# KiCad board EOutside.kicad_pcb (continued)
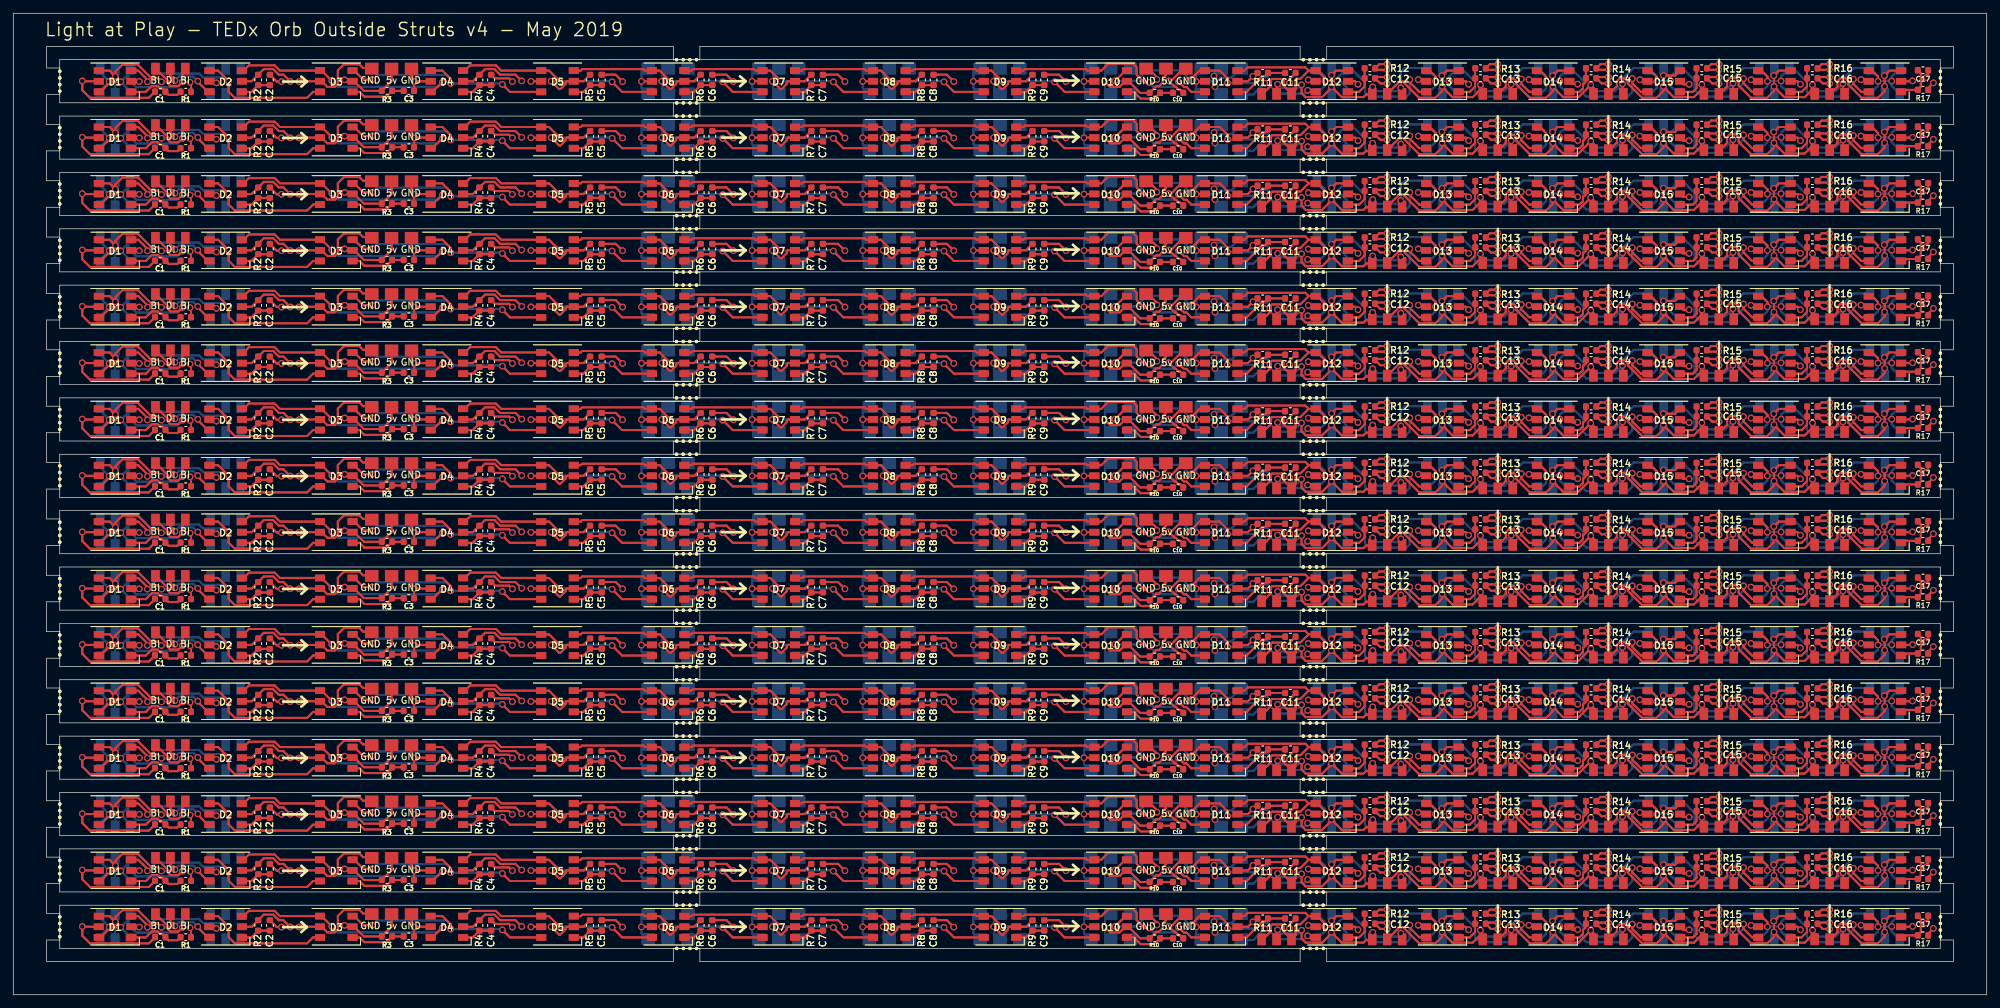
[diagram p0: board, top side]
## Routing (per net, layer and track width the routed paths; a pad name or vN(x,y) marks a point on that pad's centre or on a via; arc(x,y) is an arc through that point) (continued)
  Bottom w0.3: 265.28,135.9 J14#33.1 265.28,135.9 ; 265.28,135.9 v1(265.28,136.97) 265.28,135.9 ; 265.39,139.74 265.39,139.34 265.39,139.74 ; 265.39,139.74 265.33,139.8 265.39,139.74 ; 265.25,139.56 v1(265.25,138.59) 265.25,139.56 ; 265.25,139.56 J14#34.1 265.25,139.56 ; 280.95,137.05 J15#33.2 280.95,137.05 ; 280.95,137.05 v1(280.95,137.75) ; 280.95,137.05 v1(280.95,137.75) ; v1(280.95,137.75) 280.99,137.79 ; v1(280.95,137.75) 280.99,137.79 ; v1(280.95,137.75) 280.95,138.45 ; v1(280.95,137.75) 280.95,138.45 ; 283.02,138.47 284.2,139.65 283.02,138.47 ; 283.02,138.47 v1(283.02,137.79) ; 283.02,138.47 v1(283.02,137.79) ; v1(283.02,137.79) 283.02,137.03 ; v1(283.02,137.79) 280.99,137.79 ; v1(283.02,137.79) 283.02,137.03 ; v1(283.02,137.79) 280.99,137.79 ; 283.02,137.03 284.2,135.85 283.02,137.03 ; 280.95,128.55 J15#36.2 280.95,128.55 ; 280.95,128.55 v1(280.95,129.25) ; 280.95,128.55 v1(280.95,129.25) ; v1(280.95,129.25) 280.99,129.29 ; v1(280.95,129.25) 280.95,129.95 ; v1(280.95,129.25) 280.95,129.95 ; v1(280.95,129.25) 280.99,129.29 ; 283.02,129.97 284.2,131.15 283.02,129.97 ; 283.02,129.97 v1(283.02,129.29) ; 283.02,129.97 v1(283.02,129.29) ; v1(283.02,129.29) 283.02,128.53 ; v1(283.02,129.29) 280.99,129.29 ; v1(283.02,129.29) 283.02,128.53 ; v1(283.02,129.29) 280.99,129.29 ; 283.02,128.53 284.2,127.35 283.02,128.53 ; 265.28,127.4 J14#36.1 265.28,127.4 ; 265.28,127.4 v1(265.28,128.47) 265.28,127.4 ; 265.39,131.24 265.39,130.84 265.39,131.24 ; 265.39,131.24 265.33,131.3 265.39,131.24 ; 265.25,131.06 v1(265.25,130.09) 265.25,131.06 ; 265.25,131.06 J14#35.1 265.25,131.06 ; 280.95,129.95 J15#35.2 280.95,129.95 ; 272.04,127.76 v1(271.08,128.73) 272.04,127.76 ; 272.04,127.76 274.54,127.76 ; 272.04,127.76 274.54,127.76 ; 275.68,129.61 v1(275.68,128.9) ; 275.68,129.61 277.32,131.25 ; 275.68,129.61 v1(275.68,128.9) ; 275.68,129.61 277.32,131.25 ; v1(275.68,128.9) 275.18,128.4 ; v1(275.68,128.9) 275.18,128.4 ; 277.32,131.25 279.75,131.25 277.32,131.25 ; 274.54,127.76 275.18,128.4 ; 274.54,127.76 275.18,128.4 ; 280.95,120.05 J15#40.2 280.95,120.05 ; 280.95,120.05 v1(280.95,120.75) ; 280.95,120.05 v1(280.95,120.75) ; v1(280.95,120.75) 280.99,120.79 ; v1(280.95,120.75) 280.95,121.45 ; v1(280.95,120.75) 280.99,120.79 ; v1(280.95,120.75) 280.95,121.45 ; 283.02,121.47 284.2,122.65 283.02,121.47 ; 283.02,121.47 v1(283.02,120.79) ; 283.02,121.47 v1(283.02,120.79) ; v1(283.02,120.79) 283.02,120.03 ; v1(283.02,120.79) 280.99,120.79 ; v1(283.02,120.79) 283.02,120.03 ; v1(283.02,120.79) 280.99,120.79 ; 283.02,120.03 284.2,118.85 283.02,120.03 ; 265.28,118.9 J14#38.1 265.28,118.9 ; 265.28,118.9 v1(265.28,119.97) 265.28,118.9 ; 265.39,122.74 265.39,122.34 265.39,122.74 ; 265.39,122.74 265.33,122.8 265.39,122.74 ; 265.25,122.56 v1(265.25,121.59) 265.25,122.56 ; 265.25,122.56 J14#37.1 265.25,122.56 ; 280.95,121.45 J15#37.2 280.95,121.45 ; 272.04,119.26 v1(271.08,120.23) 272.04,119.26 ; 272.04,119.26 274.54,119.26 ; 272.04,119.26 274.54,119.26 ; 275.68,121.11 v1(275.68,120.4) ; 275.68,121.11 277.32,122.75 ; 275.68,121.11 v1(275.68,120.4) ; 275.68,121.11 277.32,122.75 ; v1(275.68,120.4) 275.18,119.9 ; v1(275.68,120.4) 275.18,119.9 ; 277.32,122.75 279.75,122.75 277.32,122.75 ; 274.54,119.26 275.18,119.9 ; 274.54,119.26 275.18,119.9 ; v1(280.95,112.25) 280.95,111.55 ; v1(280.95,112.25) 280.95,112.95 ; v1(280.95,112.25) 280.99,112.29 ; v1(280.95,112.25) 280.95,111.55 ; v1(280.95,112.25) 280.95,112.95 ; v1(280.95,112.25) 280.99,112.29 ; 280.95,111.55 J15#39.2 280.95,111.55 ; 277.32,114.25 279.75,114.25 277.32,114.25 ; 277.32,114.25 275.68,112.61 ; 277.32,114.25 275.68,112.61 ; 275.68,112.61 v1(275.68,111.9) ; 275.68,112.61 v1(275.68,111.9) ; v1(275.68,111.9) 275.18,111.4 ; v1(275.68,111.9) 275.18,111.4 ; 265.39,114.24 265.33,114.3 265.39,114.24 ; 265.39,114.24 265.39,113.84 265.39,114.24 ; v1(283.02,112.29) 283.02,112.97 ; v1(283.02,112.29) 283.02,111.53 ; v1(283.02,112.29) 280.99,112.29 ; v1(283.02,112.29) 283.02,112.97 ; v1(283.02,112.29) 283.02,111.53 ; v1(283.02,112.29) 280.99,112.29 ; 283.02,112.97 284.2,114.15 283.02,112.97 ; 272.04,110.76 v1(271.08,111.73) 272.04,110.76 ; 272.04,110.76 274.54,110.76 ; 272.04,110.76 274.54,110.76 ; 265.28,110.4 J14#39.1 265.28,110.4 ; 265.28,110.4 v1(265.28,111.47) 265.28,110.4 ; 274.54,110.76 275.18,111.4 ; 274.54,110.76 275.18,111.4 ; 280.95,112.95 J15#38.2 280.95,112.95 ; 283.02,111.53 284.2,110.35 283.02,111.53 ; 265.25,114.06 J14#40.1 265.25,114.06 ; 265.25,114.06 v1(265.25,113.09) 265.25,114.06 ; 280.95,138.45 J15#34.2 280.95,138.45 ; 272.04,136.26 v1(271.08,137.23) 272.04,136.26 ; 272.04,136.26 274.54,136.26 ; 272.04,136.26 274.54,136.26 ; 275.68,138.11 v1(275.68,137.4) ; 275.68,138.11 277.32,139.75 ; 275.68,138.11 v1(275.68,137.4) ; 275.68,138.11 277.32,139.75 ; v1(275.68,137.4) 275.18,136.9 ; v1(275.68,137.4) 275.18,136.9 ; 277.32,139.75 279.75,139.75 277.32,139.75 ; 274.54,136.26 275.18,136.9 ; 274.54,136.26 275.18,136.9 ; 280.95,103.05 J15#61.2 280.95,103.05 ; 280.95,103.05 v1(280.95,103.75) ; 280.95,103.05 v1(280.95,103.75) ; v1(280.95,103.75) 280.99,103.79 ; v1(280.95,103.75) 280.95,104.45 ; v1(280.95,103.75) 280.95,104.45 ; v1(280.95,103.75) 280.99,103.79 ; 283.02,104.47 284.2,105.65 283.02,104.47 ; 283.02,104.47 v1(283.02,103.79) ; 283.02,104.47 v1(283.02,103.79) ; v1(283.02,103.79) 283.02,103.03 ; v1(283.02,103.79) 280.99,103.79 ; v1(283.02,103.79) 283.02,103.03 ; v1(283.02,103.79) 280.99,103.79 ; 283.02,103.03 284.2,101.85 283.02,103.03 ; 265.28,101.9 J14#54.1 265.28,101.9 ; 265.28,101.9 v1(265.28,102.97) 265.28,101.9 ; 265.39,105.74 265.39,105.34 265.39,105.74 ; 265.39,105.74 265.33,105.8 265.39,105.74 ; 265.25,105.56 v1(265.25,104.59) 265.25,105.56 ; 265.25,105.56 J14#53.1 265.25,105.56 ; 280.95,104.45 J15#53.2 280.95,104.45 ; 272.04,102.26 v1(271.08,103.23) 272.04,102.26 ; 272.04,102.26 274.54,102.26 ; 272.04,102.26 274.54,102.26 ; 275.68,104.11 v1(275.68,103.4) ; 275.68,104.11 277.32,105.75 ; 275.68,104.11 v1(275.68,103.4) ; 275.68,104.11 277.32,105.75 ; v1(275.68,103.4) 275.18,102.9 ; v1(275.68,103.4) 275.18,102.9 ; 277.32,105.75 279.75,105.75 277.32,105.75 ; 274.54,102.26 275.18,102.9 ; 274.54,102.26 275.18,102.9 ; v1(280.95,95.25) 280.95,94.55 ; v1(280.95,95.25) 280.95,95.95 ; v1(280.95,95.25) 280.99,95.29 ; v1(280.95,95.25) 280.95,95.95 ; v1(280.95,95.25) 280.99,95.29 ; v1(280.95,95.25) 280.95,94.55 ; 280.95,94.55 J15#60.2 280.95,94.55 ; 277.32,97.25 279.75,97.25 277.32,97.25 ; 277.32,97.25 275.68,95.61 ; 277.32,97.25 275.68,95.61 ; 275.68,95.61 v1(275.68,94.9) ; 275.68,95.61 v1(275.68,94.9) ; v1(275.68,94.9) 275.18,94.4 ; v1(275.68,94.9) 275.18,94.4 ; 265.39,97.24 265.33,97.3 265.39,97.24 ; 265.39,97.24 265.39,96.84 265.39,97.24 ; v1(283.02,95.29) 283.02,95.97 ; v1(283.02,95.29) 283.02,94.53 ; v1(283.02,95.29) 280.99,95.29 ; v1(283.02,95.29) 283.02,94.53 ; v1(283.02,95.29) 280.99,95.29 ; v1(283.02,95.29) 283.02,95.97 ; 283.02,95.97 284.2,97.15 283.02,95.97 ; 272.04,93.76 v1(271.08,94.73) 272.04,93.76 ; 272.04,93.76 274.54,93.76 ; 272.04,93.76 274.54,93.76 ; 265.28,93.4 J14#57.1 265.28,93.4 ; 265.28,93.4 v1(265.28,94.47) 265.28,93.4 ; 274.54,93.76 275.18,94.4 ; 274.54,93.76 275.18,94.4 ; 280.95,95.95 J15#57.2 280.95,95.95 ; 283.02,94.53 284.2,93.35 283.02,94.53 ; 265.25,97.06 J14#61.1 265.25,97.06 ; 265.25,97.06 v1(265.25,96.09) 265.25,97.06 ; v1(280.95,78.25) 280.95,77.55 ; v1(280.95,78.25) 280.95,78.95 ; v1(280.95,78.25) 280.99,78.29 ; v1(280.95,78.25) 280.95,77.55 ; v1(280.95,78.25) 280.95,78.95 ; v1(280.95,78.25) 280.99,78.29 ; 280.95,77.55 J15#52.2 280.95,77.55 ; 277.32,80.25 279.75,80.25 277.32,80.25 ; 277.32,80.25 275.68,78.61 ; 277.32,80.25 275.68,78.61 ; 275.68,78.61 v1(275.68,77.9) ; 275.68,78.61 v1(275.68,77.9) ; v1(275.68,77.9) 275.18,77.4 ; v1(275.68,77.9) 275.18,77.4 ; 265.39,80.24 265.33,80.3 265.39,80.24 ; 265.39,80.24 265.39,79.84 265.39,80.24 ; v1(283.02,78.29) 283.02,78.97 ; v1(283.02,78.29) 283.02,77.53 ; v1(283.02,78.29) 280.99,78.29 ; v1(283.02,78.29) 283.02,78.97 ; v1(283.02,78.29) 283.02,77.53 ; v1(283.02,78.29) 280.99,78.29 ; 283.02,78.97 284.2,80.15 283.02,78.97 ; 272.04,76.76 v1(271.08,77.73) 272.04,76.76 ; 272.04,76.76 274.54,76.76 ; 272.04,76.76 274.54,76.76 ; 265.28,76.4 J14#51.1 265.28,76.4 ; 265.28,76.4 v1(265.28,77.47) 265.28,76.4 ; 274.54,76.76 275.18,77.4 ; 274.54,76.76 275.18,77.4 ; 280.95,78.95 J15#50.2 280.95,78.95 ; 283.02,77.53 284.2,76.35 283.02,77.53 ; 265.25,80.06 J14#52.1 265.25,80.06 ; 265.25,80.06 v1(265.25,79.09) 265.25,80.06 ; 280.95,86.05 J15#51.2 280.95,86.05 ; 280.95,86.05 v1(280.95,86.75) ; 280.95,86.05 v1(280.95,86.75) ; v1(280.95,86.75) 280.99,86.79 ; v1(280.95,86.75) 280.95,87.45 ; v1(280.95,86.75) 280.99,86.79 ; v1(280.95,86.75) 280.95,87.45 ; 283.02,87.47 284.2,88.65 283.02,87.47 ; 283.02,87.47 v1(283.02,86.79) ; 283.02,87.47 v1(283.02,86.79) ; v1(283.02,86.79) 283.02,86.03 ; v1(283.02,86.79) 280.99,86.79 ; v1(283.02,86.79) 283.02,86.03 ; v1(283.02,86.79) 280.99,86.79 ; 283.02,86.03 284.2,84.85 283.02,86.03 ; 265.28,84.9 J14#50.1 265.28,84.9 ; 265.28,84.9 v1(265.28,85.97) 265.28,84.9 ; 265.39,88.74 265.39,88.34 265.39,88.74 ; 265.39,88.74 265.33,88.8 265.39,88.74 ; 265.25,88.56 v1(265.25,87.59) 265.25,88.56 ; 265.25,88.56 J14#49.1 265.25,88.56 ; 280.95,87.45 J15#49.2 280.95,87.45 ; 272.04,85.26 v1(271.08,86.23) 272.04,85.26 ; 272.04,85.26 274.54,85.26 ; 272.04,85.26 274.54,85.26 ; 275.68,87.11 v1(275.68,86.4) ; 275.68,87.11 277.32,88.75 ; 275.68,87.11 v1(275.68,86.4) ; 275.68,87.11 277.32,88.75 ; v1(275.68,86.4) 275.18,85.9 ; v1(275.68,86.4) 275.18,85.9 ; 277.32,88.75 279.75,88.75 277.32,88.75 ; 274.54,85.26 275.18,85.9 ; 274.54,85.26 275.18,85.9 ; v1(280.95,52.75) 280.95,53.45 ; v1(280.95,52.75) 280.95,52.05 ; v1(280.95,52.75) 280.99,52.79 ; v1(280.95,52.75) 280.95,52.05 ; v1(280.95,52.75) 280.99,52.79 ; v1(280.95,52.75) 280.95,53.45 ; 280.95,53.45 J15#69.2 280.95,53.45 ; 275.18,51.9 v1(275.68,52.4) ; 275.18,51.9 274.54,51.26 ; 275.18,51.9 274.54,51.26 ; 275.18,51.9 v1(275.68,52.4) ; v1(275.68,52.4) 275.68,53.11 ; v1(275.68,52.4) 275.68,53.11 ; 272.04,51.26 274.54,51.26 ; 272.04,51.26 v1(271.08,52.23) 272.04,51.26 ; 272.04,51.26 274.54,51.26 ; 277.32,54.75 275.68,53.11 ; 277.32,54.75 279.75,54.75 277.32,54.75 ; 277.32,54.75 275.68,53.11 ; 280.95,69.05 J15#74.2 280.95,69.05 ; 280.95,69.05 v1(280.95,69.75) ; 280.95,69.05 v1(280.95,69.75) ; v1(280.95,69.75) 280.99,69.79 ; v1(280.95,69.75) 280.95,70.45 ; v1(280.95,69.75) 280.99,69.79 ; v1(280.95,69.75) 280.95,70.45 ; 283.02,70.47 284.2,71.65 283.02,70.47 ; 283.02,70.47 v1(283.02,69.79) ; 283.02,70.47 v1(283.02,69.79) ; v1(283.02,69.79) 283.02,69.03 ; v1(283.02,69.79) 280.99,69.79 ; v1(283.02,69.79) 283.02,69.03 ; v1(283.02,69.79) 280.99,69.79 ; 283.02,69.03 284.2,67.85 283.02,69.03 ; 272.04,68.26 v1(271.08,69.23) 272.04,68.26 ; 272.04,68.26 274.54,68.26 ; 272.04,68.26 274.54,68.26 ; 275.68,70.11 v1(275.68,69.4) ; 275.68,70.11 277.32,71.75 ; 275.68,70.11 v1(275.68,69.4) ; 275.68,70.11 277.32,71.75 ; v1(275.68,69.4) 275.18,68.9 ; v1(275.68,69.4) 275.18,68.9 ; 277.32,71.75 279.75,71.75 277.32,71.75 ; 274.54,68.26 275.18,68.9 ; 274.54,68.26 275.18,68.9 ; v1(280.95,61.25) 280.95,60.55 ; v1(280.95,61.25) 280.95,61.95 ; v1(280.95,61.25) 280.99,61.29 ; v1(280.95,61.25) 280.95,61.95 ; v1(280.95,61.25) 280.99,61.29 ; v1(280.95,61.25) 280.95,60.55 ; 280.95,60.55 J15#72.2 280.95,60.55 ; 277.32,63.25 279.75,63.25 277.32,63.25 ; 277.32,63.25 275.68,61.61 ; 277.32,63.25 275.68,61.61 ; 275.68,61.61 v1(275.68,60.9) ; 275.68,61.61 v1(275.68,60.9) ; v1(275.68,60.9) 275.18,60.4 ; v1(275.68,60.9) 275.18,60.4 ; 265.39,63.24 265.33,63.3 265.39,63.24 ; 265.39,63.24 265.39,62.84 265.39,63.24 ; v1(283.02,61.29) 283.02,61.97 ; v1(283.02,61.29) 283.02,60.53 ; v1(283.02,61.29) 280.99,61.29 ; v1(283.02,61.29) 283.02,60.53 ; v1(283.02,61.29) 280.99,61.29 ; v1(283.02,61.29) 283.02,61.97 ; 283.02,61.97 284.2,63.15 283.02,61.97 ; 272.04,59.76 v1(271.08,60.73) 272.04,59.76 ; 272.04,59.76 274.54,59.76 ; 272.04,59.76 274.54,59.76 ; 265.28,59.4 J14#66.1 265.28,59.4 ; 265.28,59.4 v1(265.28,60.47) 265.28,59.4 ; 274.54,59.76 275.18,60.4 ; 274.54,59.76 275.18,60.4 ; 280.95,61.95 J15#65.2 280.95,61.95 ; 283.02,60.53 284.2,59.35 283.02,60.53 ; 265.25,63.06 J14#76.1 265.25,63.06 ; 265.25,63.06 v1(265.25,62.09) 265.25,63.06 ; 265.25,71.56 J14#78.1 265.25,71.56 ; 265.25,71.56 v1(265.25,70.59) 265.25,71.56 ; 265.28,67.9 v1(265.28,68.97) 265.28,67.9 ; 265.28,67.9 J14#73.1 265.28,67.9 ; 265.39,71.74 265.39,71.34 265.39,71.74 ; 265.39,71.74 265.33,71.8 265.39,71.74 ; 280.95,70.45 J15#66.2 280.95,70.45 ; v1(280.95,44.25) 280.95,43.55 ; v1(280.95,44.25) 280.95,44.95 ; v1(280.95,44.25) 280.99,44.29 ; v1(280.95,44.25) 280.95,43.55 ; v1(280.95,44.25) 280.95,44.95 ; v1(280.95,44.25) 280.99,44.29 ; 280.95,43.55 J15#67.2 280.95,43.55 ; 277.32,46.25 279.75,46.25 277.32,46.25 ; 277.32,46.25 275.68,44.61 ; 277.32,46.25 275.68,44.61 ; 275.68,44.61 v1(275.68,43.9) ; 275.68,44.61 v1(275.68,43.9) ; v1(275.68,43.9) 275.18,43.4 ; v1(275.68,43.9) 275.18,43.4 ; 265.39,46.24 265.33,46.3 265.39,46.24 ; 265.39,46.24 265.39,45.84 265.39,46.24 ; v1(283.02,44.29) 283.02,44.97 ; v1(283.02,44.29) 283.02,43.53 ; v1(283.02,44.29) 280.99,44.29 ; v1(283.02,44.29) 283.02,44.97 ; v1(283.02,44.29) 283.02,43.53 ; v1(283.02,44.29) 280.99,44.29 ; 283.02,44.97 284.2,46.15 283.02,44.97 ; 272.04,42.76 v1(271.08,43.73) 272.04,42.76 ; 272.04,42.76 274.54,42.76 ; 272.04,42.76 274.54,42.76 ; 265.28,42.4 J14#65.1 265.28,42.4 ; 265.28,42.4 v1(265.28,43.47) 265.28,42.4 ; 274.54,42.76 275.18,43.4 ; 274.54,42.76 275.18,43.4 ; 280.95,44.95 J15#76.2 280.95,44.95 ; 283.02,43.53 284.2,42.35 283.02,43.53 ; 265.25,46.06 J14#68.1 265.25,46.06 ; 265.25,46.06 v1(265.25,45.09) 265.25,46.06 ; 280.95,52.05 J15#68.2 280.95,52.05 ; 283.02,53.47 284.2,54.65 283.02,53.47 ; 283.02,53.47 v1(283.02,52.79) ; 283.02,53.47 v1(283.02,52.79) ; v1(283.02,52.79) 283.02,52.03 ; v1(283.02,52.79) 280.99,52.79 ; v1(283.02,52.79) 283.02,52.03 ; v1(283.02,52.79) 280.99,52.79 ; 283.02,52.03 284.2,50.85 283.02,52.03 ; 265.28,50.9 J14#70.1 265.28,50.9 ; 265.28,50.9 v1(265.28,51.97) 265.28,50.9 ; 265.39,54.74 265.39,54.34 265.39,54.74 ; 265.39,54.74 265.33,54.8 265.39,54.74 ; 265.25,54.56 v1(265.25,53.59) 265.25,54.56 ; 265.25,54.56 J14#71.1 265.25,54.56 ; 265.39,20.74 265.33,20.8 265.39,20.74 ; 265.39,20.74 265.39,20.34 265.39,20.74 ; 265.25,20.56 J14#81.1 265.25,20.56 ; 265.25,20.56 v1(265.25,19.59) 265.25,20.56 ; 265.28,16.9 v1(265.28,17.97) 265.28,16.9 ; 265.28,16.9 J14#90.1 265.28,16.9 ; 283.02,18.03 284.2,16.85 283.02,18.03 ; 283.02,18.03 v1(283.02,18.79) ; 283.02,18.03 v1(283.02,18.79) ; 280.99,18.79 v1(280.95,18.75) ; 280.99,18.79 v1(283.02,18.79) ; 280.99,18.79 v1(283.02,18.79) ; 280.99,18.79 v1(280.95,18.75) ; v1(280.95,18.75) 280.95,18.05 ; v1(280.95,18.75) 280.95,19.45 ; v1(280.95,18.75) 280.95,18.05 ; v1(280.95,18.75) 280.95,19.45 ; v1(283.02,18.79) 283.02,19.47 ; v1(283.02,18.79) 283.02,19.47 ; 283.02,19.47 284.2,20.65 283.02,19.47 ; 280.95,18.05 J15#89.2 280.95,18.05 ; v1(280.95,10.25) 280.95,10.95 ; v1(280.95,10.25) 280.99,10.29 ; v1(280.95,10.25) 280.95,9.55 ; v1(280.95,10.25) 280.95,10.95 ; v1(280.95,10.25) 280.99,10.29 ; v1(280.95,10.25) 280.95,9.55 ; 280.95,10.95 J15#93.2 280.95,10.95 ; v1(283.02,10.29) 283.02,9.53 ; v1(283.02,10.29) 280.99,10.29 ; v1(283.02,10.29) 283.02,10.97 ; v1(283.02,10.29) 283.02,9.53 ; v1(283.02,10.29) 280.99,10.29 ; v1(283.02,10.29) 283.02,10.97 ; 283.02,9.53 284.2,8.35 283.02,9.53 ; 265.25,12.06 J14#82.1 265.25,12.06 ; 265.25,12.06 v1(265.25,11.09) 265.25,12.06 ; 265.39,12.24 265.39,11.84 265.39,12.24 ; 265.39,12.24 265.33,12.3 265.39,12.24 ; 280.95,36.45 J15#81.2 280.95,36.45 ; 280.95,36.45 v1(280.95,35.75) ; 280.95,36.45 v1(280.95,35.75) ; v1(280.95,35.75) 280.95,35.05 ; v1(280.95,35.75) 280.99,35.79 ; v1(280.95,35.75) 280.95,35.05 ; v1(280.95,35.75) 280.99,35.79 ; 272.04,34.26 v1(271.08,35.23) 272.04,34.26 ; 272.04,34.26 274.54,34.26 ; 272.04,34.26 274.54,34.26 ; 275.68,36.11 v1(275.68,35.4) ; 275.68,36.11 277.32,37.75 ; 275.68,36.11 v1(275.68,35.4) ; 275.68,36.11 277.32,37.75 ; v1(275.68,35.4) 275.18,34.9 ; v1(275.68,35.4) 275.18,34.9 ; 277.32,37.75 279.75,37.75 277.32,37.75 ; 274.54,34.26 275.18,34.9 ; 274.54,34.26 275.18,34.9 ; 280.95,35.05 J15#94.2 280.95,35.05 ; 283.02,36.47 284.2,37.65 283.02,36.47 ; 283.02,36.47 v1(283.02,35.79) ; 283.02,36.47 v1(283.02,35.79) ; v1(283.02,35.79) 283.02,35.03 ; v1(283.02,35.79) 280.99,35.79 ; v1(283.02,35.79) 283.02,35.03 ; v1(283.02,35.79) 280.99,35.79 ; 283.02,35.03 284.2,33.85 283.02,35.03 ; 265.39,37.74 265.33,37.8 265.39,37.74 ; 265.39,37.74 265.39,37.34 265.39,37.74 ; 265.28,33.9 v1(265.28,34.97) 265.28,33.9 ; 265.28,33.9 J14#85.1 265.28,33.9 ; 265.25,37.56 v1(265.25,36.59) 265.25,37.56 ; 265.25,37.56 J14#86.1 265.25,37.56 ; 275.18,17.9 v1(275.68,18.4) ; 275.18,17.9 274.54,17.26 ; 275.18,17.9 274.54,17.26 ; 275.18,17.9 v1(275.68,18.4) ; v1(275.68,18.4) 275.68,19.11 ; v1(275.68,18.4) 275.68,19.11 ; 272.04,17.26 274.54,17.26 ; 272.04,17.26 v1(271.08,18.23) 272.04,17.26 ; 272.04,17.26 274.54,17.26 ; 277.32,20.75 275.68,19.11 ; 277.32,20.75 279.75,20.75 277.32,20.75 ; 277.32,20.75 275.68,19.11 ; 280.95,19.45 J15#82.2 280.95,19.45 ; 280.95,9.55 J15#85.2 280.95,9.55 ; 277.32,12.25 279.75,12.25 277.32,12.25 ; 277.32,12.25 275.68,10.61 ; 277.32,12.25 275.68,10.61 ; 275.68,10.61 v1(275.68,9.9) ; 275.68,10.61 v1(275.68,9.9) ; v1(275.68,9.9) 275.18,9.4 ; v1(275.68,9.9) 275.18,9.4 ; 283.02,10.97 284.2,12.15 283.02,10.97 ; 272.04,8.76 v1(271.08,9.73) 272.04,8.76 ; 272.04,8.76 274.54,8.76 ; 272.04,8.76 274.54,8.76 ; 265.28,8.4 J14#83.1 265.28,8.4 ; 265.28,8.4 v1(265.28,9.47) 265.28,8.4 ; 274.54,8.76 275.18,9.4 ; 274.54,8.76 275.18,9.4 ; v1(280.95,27.25) 280.95,26.55 ; v1(280.95,27.25) 280.95,27.95 ; v1(280.95,27.25) 280.99,27.29 ; v1(280.95,27.25) 280.99,27.29 ; v1(280.95,27.25) 280.95,26.55 ; v1(280.95,27.25) 280.95,27.95 ; 280.95,26.55 J15#87.2 280.95,26.55 ; 277.32,29.25 279.75,29.25 277.32,29.25 ; 277.32,29.25 275.68,27.61 ; 277.32,29.25 275.68,27.61 ; 275.68,27.61 v1(275.68,26.9) ; 275.68,27.61 v1(275.68,26.9) ; v1(275.68,26.9) 275.18,26.4 ; v1(275.68,26.9) 275.18,26.4 ; 265.39,29.24 265.33,29.3 265.39,29.24 ; 265.39,29.24 265.39,28.84 265.39,29.24 ; v1(283.02,27.29) 283.02,27.97 ; v1(283.02,27.29) 283.02,26.53 ; v1(283.02,27.29) 280.99,27.29 ; v1(283.02,27.29) 283.02,26.53 ; v1(283.02,27.29) 280.99,27.29 ; v1(283.02,27.29) 283.02,27.97 ; 283.02,27.97 284.2,29.15 283.02,27.97 ; 280.95,27.95 J15#86.2 280.95,27.95 ; 283.02,26.53 284.2,25.35 283.02,26.53 ; 265.25,29.06 J14#88.1 265.25,29.06 ; 265.25,29.06 v1(265.25,28.09) 265.25,29.06 ; 272.04,25.76 v1(271.08,26.73) 272.04,25.76 ; 272.04,25.76 274.54,25.76 ; 272.04,25.76 274.54,25.76 ; 265.28,25.4 J14#89.1 265.28,25.4 ; 265.28,25.4 v1(265.28,26.47) 265.28,25.4 ; 274.54,25.76 275.18,26.4 ; 274.54,25.76 275.18,26.4 ; 284.3,135.8 284.3,136.54 284.3,135.8 ; 265.33,135.75 265.27,135.82 265.33,135.75 ; 279.75,139.68 279.75,139.31 279.75,139.68 ; 279.75,131.18 279.75,130.81 279.75,131.18 ; 265.33,127.25 265.27,127.32 265.33,127.25 ; 284.3,127.3 284.3,128.04 284.3,127.3 ; 279.75,122.68 279.75,122.31 279.75,122.68 ; 265.33,118.75 265.27,118.82 265.33,118.75 ; 284.3,118.8 284.3,119.54 284.3,118.8 ; 265.33,110.25 265.27,110.32 265.33,110.25 ; 284.3,110.3 284.3,111.04 284.3,110.3 ; 279.75,114.18 279.75,113.81 279.75,114.18 ; 279.75,105.68 279.75,105.31 279.75,105.68 ; 265.33,101.75 265.27,101.82 265.33,101.75 ; 284.3,101.8 284.3,102.54 284.3,101.8 ; 265.33,93.25 265.27,93.32 265.33,93.25 ; 284.3,93.3 284.3,94.04 284.3,93.3 ; 279.75,97.18 279.75,96.81 279.75,97.18 ; 265.33,76.25 265.27,76.32 265.33,76.25 ; 284.3,76.3 284.3,77.04 284.3,76.3 ; 279.75,80.18 279.75,79.81 279.75,80.18 ; 279.75,88.68 279.75,88.31 279.75,88.68 ; 265.33,84.75 265.27,84.82 265.33,84.75 ; 284.3,84.8 284.3,85.54 284.3,84.8 ; 284.3,50.8 284.3,51.54 284.3,50.8 ; 265.33,59.25 265.27,59.32 265.33,59.25 ; 284.3,59.3 284.3,60.04 284.3,59.3 ; 279.75,63.18 279.75,62.81 279.75,63.18 ; 265.33,67.75 265.27,67.82 265.33,67.75 ; 279.75,71.68 279.75,71.31 279.75,71.68 ; 284.3,67.8 284.3,68.54 284.3,67.8 ; 265.33,42.25 265.27,42.32 265.33,42.25 ; 284.3,42.3 284.3,43.04 284.3,42.3 ; 279.75,46.18 279.75,45.81 279.75,46.18 ; 279.75,54.68 279.75,54.31 279.75,54.68 ; 265.33,50.75 265.27,50.82 265.33,50.75 ; 265.33,16.75 265.27,16.82 265.33,16.75 ; 279.75,20.68 279.75,20.31 279.75,20.68 ; 284.3,8.3 284.3,9.04 284.3,8.3 ; 279.75,12.18 279.75,11.81 279.75,12.18 ; 284.3,33.8 284.3,34.54 284.3,33.8 ; 265.33,33.75 265.27,33.82 265.33,33.75 ; 279.75,37.68 279.75,37.31 279.75,37.68 ; 284.3,16.8 284.3,17.54 284.3,16.8 ; 265.33,8.25 265.27,8.32 265.33,8.25 ; 265.33,25.25 265.27,25.32 265.33,25.25 ; 284.3,25.3 284.3,26.04 284.3,25.3 ; 279.75,29.18 279.75,28.81 279.75,29.18
Net-(D17-Pad3): length 631.9
  Top w0.3: 282.67,139.35 284.45,139.35 282.67,139.35 ; 282.67,139.35 282.41,139.09 ; 282.67,139.35 282.41,139.09 ; 281.95,138.56 v1(281.91,138.59) ; 281.95,138.56 v1(281.95,136.97) ; 281.95,138.56 v1(281.91,138.59) ; 281.95,138.56 v1(281.95,136.97) ; v1(281.91,138.59) 282.41,139.09 ; v1(281.91,138.59) 282.41,139.09 ; v1(281.95,136.97) 281.95,136.27 ; v1(281.95,136.97) 281.95,136.27 ; 282.67,130.85 284.45,130.85 282.67,130.85 ; 282.67,130.85 282.41,130.59 ; 282.67,130.85 282.41,130.59 ; 281.95,130.06 v1(281.91,130.09) ; 281.95,130.06 v1(281.95,128.47) ; 281.95,130.06 v1(281.91,130.09) ; 281.95,130.06 v1(281.95,128.47) ; v1(281.91,130.09) 282.41,130.59 ; v1(281.91,130.09) 282.41,130.59 ; v1(281.95,128.47) 281.95,127.77 ; v1(281.95,128.47) 281.95,127.77 ; 275.29,129.7 276.06,129.7 ; 275.29,129.7 274.85,129.26 ; 275.29,129.7 276.06,129.7 ; 275.29,129.7 274.85,129.26 ; 276.06,129.7 276.48,129.29 ; 276.06,129.7 276.48,129.29 ; 276.48,129.29 276.48,128.76 ; 276.48,129.29 276.48,128.76 ; 274.85,128.43 274.85,129.26 ; 274.85,128.43 273.67,127.25 274.85,128.43 ; 274.85,128.43 274.85,129.26 ; 276.48,128.76 278.48,126.75 ; 276.48,128.76 278.48,126.75 ; 278.48,126.75 280.94,126.75 ; 278.48,126.75 280.94,126.75 ; 280.94,126.75 281.95,127.77 ; 280.94,126.75 281.95,127.77 ; 282.67,122.35 284.45,122.35 282.67,122.35 ; 282.67,122.35 282.41,122.09 ; 282.67,122.35 282.41,122.09 ; 281.95,121.56 v1(281.91,121.59) ; 281.95,121.56 v1(281.95,119.97) ; 281.95,121.56 v1(281.91,121.59) ; 281.95,121.56 v1(281.95,119.97) ; v1(281.91,121.59) 282.41,122.09 ; v1(281.91,121.59) 282.41,122.09 ; v1(281.95,119.97) 281.95,119.27 ; v1(281.95,119.97) 281.95,119.27 ; 275.29,121.2 276.06,121.2 ; 275.29,121.2 274.85,120.76 ; 275.29,121.2 276.06,121.2 ; 275.29,121.2 274.85,120.76 ; 276.06,121.2 276.48,120.79 ; 276.06,121.2 276.48,120.79 ; 276.48,120.79 276.48,120.26 ; 276.48,120.79 276.48,120.26 ; 274.85,119.93 274.85,120.76 ; 274.85,119.93 273.67,118.75 274.85,119.93 ; 274.85,119.93 274.85,120.76 ; 276.48,120.26 278.48,118.25 ; 276.48,120.26 278.48,118.25 ; 278.48,118.25 280.94,118.25 ; 278.48,118.25 280.94,118.25 ; 280.94,118.25 281.95,119.27 ; 280.94,118.25 281.95,119.27 ; 281.95,113.06 v1(281.91,113.09) ; 281.95,113.06 v1(281.95,111.47) ; 281.95,113.06 v1(281.91,113.09) ; 281.95,113.06 v1(281.95,111.47) ; v1(281.91,113.09) 282.41,113.59 ; v1(281.91,113.09) 282.41,113.59 ; v1(281.95,111.47) 281.95,110.77 ; v1(281.95,111.47) 281.95,110.77 ; 282.67,113.85 284.45,113.85 282.67,113.85 ; 282.67,113.85 282.41,113.59 ; 282.67,113.85 282.41,113.59 ; 275.29,112.7 276.06,112.7 ; 275.29,112.7 274.85,112.26 ; 275.29,112.7 276.06,112.7 ; 275.29,112.7 274.85,112.26 ; 276.06,112.7 276.48,112.29 ; 276.06,112.7 276.48,112.29 ; 276.48,112.29 276.48,111.76 ; 276.48,112.29 276.48,111.76 ; 274.85,111.43 274.85,112.26 ; 274.85,111.43 273.67,110.25 274.85,111.43 ; 274.85,111.43 274.85,112.26 ; 276.48,111.76 278.48,109.75 ; 276.48,111.76 278.48,109.75 ; 278.48,109.75 280.94,109.75 ; 278.48,109.75 280.94,109.75 ; 280.94,109.75 281.95,110.77 ; 280.94,109.75 281.95,110.77 ; 275.29,138.2 276.06,138.2 ; 275.29,138.2 274.85,137.76 ; 275.29,138.2 276.06,138.2 ; 275.29,138.2 274.85,137.76 ; 276.06,138.2 276.48,137.79 ; 276.06,138.2 276.48,137.79 ; 276.48,137.79 276.48,137.26 ; 276.48,137.79 276.48,137.26 ; 274.85,136.93 274.85,137.76 ; 274.85,136.93 273.67,135.75 274.85,136.93 ; 274.85,136.93 274.85,137.76 ; 276.48,137.26 278.48,135.25 ; 276.48,137.26 278.48,135.25 ; 278.48,135.25 280.94,135.25 ; 278.48,135.25 280.94,135.25 ; 280.94,135.25 281.95,136.27 ; 280.94,135.25 281.95,136.27 ; 282.67,105.35 284.45,105.35 282.67,105.35 ; 282.67,105.35 282.41,105.09 ; 282.67,105.35 282.41,105.09 ; 281.95,104.56 v1(281.91,104.59) ; 281.95,104.56 v1(281.95,102.97) ; 281.95,104.56 v1(281.91,104.59) ; 281.95,104.56 v1(281.95,102.97) ; v1(281.91,104.59) 282.41,105.09 ; v1(281.91,104.59) 282.41,105.09 ; v1(281.95,102.97) 281.95,102.27 ; v1(281.95,102.97) 281.95,102.27 ; 275.29,104.2 276.06,104.2 ; 275.29,104.2 274.85,103.76 ; 275.29,104.2 276.06,104.2 ; 275.29,104.2 274.85,103.76 ; 276.06,104.2 276.48,103.79 ; 276.06,104.2 276.48,103.79 ; 276.48,103.79 276.48,103.26 ; 276.48,103.79 276.48,103.26 ; 274.85,102.93 274.85,103.76 ; 274.85,102.93 273.67,101.75 274.85,102.93 ; 274.85,102.93 274.85,103.76 ; 276.48,103.26 278.48,101.25 ; 276.48,103.26 278.48,101.25 ; 278.48,101.25 280.94,101.25 ; 278.48,101.25 280.94,101.25 ; 280.94,101.25 281.95,102.27 ; 280.94,101.25 281.95,102.27 ; 281.95,96.06 v1(281.91,96.09) ; 281.95,96.06 v1(281.95,94.47) ; 281.95,96.06 v1(281.95,94.47) ; 281.95,96.06 v1(281.91,96.09) ; v1(281.91,96.09) 282.41,96.59 ; v1(281.91,96.09) 282.41,96.59 ; v1(281.95,94.47) 281.95,93.77 ; v1(281.95,94.47) 281.95,93.77 ; 282.67,96.85 284.45,96.85 282.67,96.85 ; 282.67,96.85 282.41,96.59 ; 282.67,96.85 282.41,96.59 ; 275.29,95.7 276.06,95.7 ; 275.29,95.7 274.85,95.26 ; 275.29,95.7 276.06,95.7 ; 275.29,95.7 274.85,95.26 ; 276.06,95.7 276.48,95.29 ; 276.06,95.7 276.48,95.29 ; 276.48,95.29 276.48,94.76 ; 276.48,95.29 276.48,94.76 ; 274.85,94.43 274.85,95.26 ; 274.85,94.43 273.67,93.25 274.85,94.43 ; 274.85,94.43 274.85,95.26 ; 276.48,94.76 278.48,92.75 ; 276.48,94.76 278.48,92.75 ; 278.48,92.75 280.94,92.75 ; 278.48,92.75 280.94,92.75 ; 280.94,92.75 281.95,93.77 ; 280.94,92.75 281.95,93.77 ; 275.29,78.7 276.06,78.7 ; 275.29,78.7 274.85,78.26 ; 275.29,78.7 276.06,78.7 ; 275.29,78.7 274.85,78.26 ; 276.06,78.7 276.48,78.29 ; 276.06,78.7 276.48,78.29 ; 276.48,78.29 276.48,77.76 ; 276.48,78.29 276.48,77.76 ; 274.85,77.43 274.85,78.26 ; 274.85,77.43 273.67,76.25 274.85,77.43 ; 274.85,77.43 274.85,78.26 ; 276.48,77.76 278.48,75.75 ; 276.48,77.76 278.48,75.75 ; 278.48,75.75 280.94,75.75 ; 278.48,75.75 280.94,75.75 ; 280.94,75.75 281.95,76.77 ; 280.94,75.75 281.95,76.77 ; 281.95,76.77 v1(281.95,77.47) ; 281.95,76.77 v1(281.95,77.47) ; v1(281.95,77.47) 281.95,79.06 ; v1(281.95,77.47) 281.95,79.06 ; 281.95,79.06 v1(281.91,79.09) ; 281.95,79.06 v1(281.91,79.09) ; v1(281.91,79.09) 282.41,79.59 ; v1(281.91,79.09) 282.41,79.59 ; 282.67,79.85 284.45,79.85 282.67,79.85 ; 282.67,79.85 282.41,79.59 ; 282.67,79.85 282.41,79.59 ; 275.29,87.2 276.06,87.2 ; 275.29,87.2 274.85,86.76 ; 275.29,87.2 276.06,87.2 ; 275.29,87.2 274.85,86.76 ; 276.06,87.2 276.48,86.79 ; 276.06,87.2 276.48,86.79 ; 276.48,86.79 276.48,86.26 ; 276.48,86.79 276.48,86.26 ; 274.85,85.93 274.85,86.76 ; 274.85,85.93 273.67,84.75 274.85,85.93 ; 274.85,85.93 274.85,86.76 ; 276.48,86.26 278.48,84.25 ; 276.48,86.26 278.48,84.25 ; 278.48,84.25 280.94,84.25 ; 278.48,84.25 280.94,84.25 ; 280.94,84.25 281.95,85.27 ; 280.94,84.25 281.95,85.27 ; 281.95,85.27 v1(281.95,85.97) ; 281.95,85.27 v1(281.95,85.97) ; v1(281.95,85.97) 281.95,87.56 ; v1(281.95,85.97) 281.95,87.56 ; 282.67,88.35 284.45,88.35 282.67,88.35 ; 282.67,88.35 282.41,88.09 ; 282.67,88.35 282.41,88.09 ; 281.95,87.56 v1(281.91,87.59) ; 281.95,87.56 v1(281.91,87.59) ; v1(281.91,87.59) 282.41,88.09 ; v1(281.91,87.59) 282.41,88.09 ; 282.41,54.09 v1(281.91,53.59) ; 282.41,54.09 282.67,54.35 ; 282.41,54.09 282.67,54.35 ; 282.41,54.09 v1(281.91,53.59) ; v1(281.91,53.59) 281.95,53.56 ; v1(281.91,53.59) 281.95,53.56 ; 282.67,54.35 284.45,54.35 282.67,54.35 ; v1(281.95,51.97) 281.95,53.56 ; v1(281.95,51.97) 281.95,51.27 ; v1(281.95,51.97) 281.95,51.27 ; v1(281.95,51.97) 281.95,53.56 ; 282.67,71.35 284.45,71.35 282.67,71.35 ; 282.67,71.35 282.41,71.09 ; 282.67,71.35 282.41,71.09 ; 281.95,70.56 v1(281.91,70.59) ; 281.95,70.56 v1(281.95,68.97) ; 281.95,70.56 v1(281.91,70.59) ; 281.95,70.56 v1(281.95,68.97) ; v1(281.91,70.59) 282.41,71.09 ; v1(281.91,70.59) 282.41,71.09 ; v1(281.95,68.97) 281.95,68.27 ; v1(281.95,68.97) 281.95,68.27 ; 275.29,70.2 276.06,70.2 ; 275.29,70.2 274.85,69.76 ; 275.29,70.2 276.06,70.2 ; 275.29,70.2 274.85,69.76 ; 276.06,70.2 276.48,69.79 ; 276.06,70.2 276.48,69.79 ; 276.48,69.79 276.48,69.26 ; 276.48,69.79 276.48,69.26 ; 274.85,68.93 274.85,69.76 ; 274.85,68.93 273.67,67.75 274.85,68.93 ; 274.85,68.93 274.85,69.76 ; 276.48,69.26 278.48,67.25 ; 276.48,69.26 278.48,67.25 ; 278.48,67.25 280.94,67.25 ; 278.48,67.25 280.94,67.25 ; 280.94,67.25 281.95,68.27 ; 280.94,67.25 281.95,68.27 ; 281.95,62.06 v1(281.91,62.09) ; 281.95,62.06 v1(281.95,60.47) ; 281.95,62.06 v1(281.95,60.47) ; 281.95,62.06 v1(281.91,62.09) ; v1(281.91,62.09) 282.41,62.59 ; v1(281.91,62.09) 282.41,62.59 ; v1(281.95,60.47) 281.95,59.77 ; v1(281.95,60.47) 281.95,59.77 ; 282.67,62.85 284.45,62.85 282.67,62.85 ; 282.67,62.85 282.41,62.59 ; 282.67,62.85 282.41,62.59 ; 275.29,61.7 276.06,61.7 ; 275.29,61.7 274.85,61.26 ; 275.29,61.7 276.06,61.7 ; 275.29,61.7 274.85,61.26 ; 276.06,61.7 276.48,61.29 ; 276.06,61.7 276.48,61.29 ; 276.48,61.29 276.48,60.76 ; 276.48,61.29 276.48,60.76 ; 274.85,60.43 274.85,61.26 ; 274.85,60.43 273.67,59.25 274.85,60.43 ; 274.85,60.43 274.85,61.26 ; 276.48,60.76 278.48,58.75 ; 276.48,60.76 278.48,58.75 ; 278.48,58.75 280.94,58.75 ; 278.48,58.75 280.94,58.75 ; 280.94,58.75 281.95,59.77 ; 280.94,58.75 281.95,59.77 ; 281.95,45.06 v1(281.91,45.09) ; 281.95,45.06 v1(281.95,43.47) ; 281.95,45.06 v1(281.91,45.09) ; 281.95,45.06 v1(281.95,43.47) ; v1(281.91,45.09) 282.41,45.59 ; v1(281.91,45.09) 282.41,45.59 ; v1(281.95,43.47) 281.95,42.77 ; v1(281.95,43.47) 281.95,42.77 ; 282.67,45.85 284.45,45.85 282.67,45.85 ; 282.67,45.85 282.41,45.59 ; 282.67,45.85 282.41,45.59 ; 275.29,44.7 276.06,44.7 ; 275.29,44.7 274.85,44.26 ; 275.29,44.7 276.06,44.7 ; 275.29,44.7 274.85,44.26 ; 276.06,44.7 276.48,44.29 ; 276.06,44.7 276.48,44.29 ; 276.48,44.29 276.48,43.76 ; 276.48,44.29 276.48,43.76 ; 274.85,43.43 274.85,44.26 ; 274.85,43.43 273.67,42.25 274.85,43.43 ; 274.85,43.43 274.85,44.26 ; 276.48,43.76 278.48,41.75 ; 276.48,43.76 278.48,41.75 ; 278.48,41.75 280.94,41.75 ; 278.48,41.75 280.94,41.75 ; 280.94,41.75 281.95,42.77 ; 280.94,41.75 281.95,42.77 ; 275.29,53.2 276.06,53.2 ; 275.29,53.2 274.85,52.76 ; 275.29,53.2 276.06,53.2 ; 275.29,53.2 274.85,52.76 ; 276.06,53.2 276.48,52.79 ; 276.06,53.2 276.48,52.79 ; 276.48,52.79 276.48,52.26 ; 276.48,52.79 276.48,52.26 ; 274.85,51.93 274.85,52.76 ; 274.85,51.93 273.67,50.75 274.85,51.93 ; 274.85,51.93 274.85,52.76 ; 276.48,52.26 278.48,50.25 ; 276.48,52.26 278.48,50.25 ; 278.48,50.25 280.94,50.25 ; 278.48,50.25 280.94,50.25 ; 280.94,50.25 281.95,51.27 ; 280.94,50.25 281.95,51.27 ; 275.29,19.2 276.06,19.2 ; 275.29,19.2 274.85,18.76 ; 275.29,19.2 276.06,19.2 ; 275.29,19.2 274.85,18.76 ; 276.06,19.2 276.48,18.79 ; 276.06,19.2 276.48,18.79 ; 276.48,18.79 276.48,18.26 ; 276.48,18.79 276.48,18.26 ; 274.85,17.93 274.85,18.76 ; 274.85,17.93 273.67,16.75 274.85,17.93 ; 274.85,17.93 274.85,18.76 ; 276.48,18.26 278.48,16.25 ; 276.48,18.26 278.48,16.25 ; 278.48,16.25 280.94,16.25 ; 278.48,16.25 280.94,16.25 ; 280.94,16.25 281.95,17.27 ; 280.94,16.25 281.95,17.27 ; 281.95,17.27 v1(281.95,17.97) ; 281.95,17.27 v1(281.95,17.97) ; v1(281.95,17.97) 281.95,19.56 ; v1(281.95,17.97) 281.95,19.56 ; 282.67,11.85 282.41,11.59 ; 282.67,11.85 284.45,11.85 282.67,11.85 ; 282.67,11.85 282.41,11.59 ; 282.41,11.59 v1(281.91,11.09) ; 282.41,11.59 v1(281.91,11.09) ; v1(281.91,11.09) 281.95,11.06 ; v1(281.91,11.09) 281.95,11.06 ; 282.67,37.35 284.45,37.35 282.67,37.35 ; 282.67,37.35 282.41,37.09 ; 282.67,37.35 282.41,37.09 ; 281.95,36.56 v1(281.91,36.59) ; 281.95,36.56 v1(281.95,34.97) ; 281.95,36.56 v1(281.91,36.59) ; 281.95,36.56 v1(281.95,34.97) ; v1(281.91,36.59) 282.41,37.09 ; v1(281.91,36.59) 282.41,37.09 ; v1(281.95,34.97) 281.95,34.27 ; v1(281.95,34.97) 281.95,34.27 ; 275.29,36.2 276.06,36.2 ; 275.29,36.2 274.85,35.76 ; 275.29,36.2 276.06,36.2 ; 275.29,36.2 274.85,35.76 ; 276.06,36.2 276.48,35.79 ; 276.06,36.2 276.48,35.79 ; 276.48,35.79 276.48,35.26 ; 276.48,35.79 276.48,35.26 ; 274.85,34.93 274.85,35.76 ; 274.85,34.93 273.67,33.75 274.85,34.93 ; 274.85,34.93 274.85,35.76 ; 276.48,35.26 278.48,33.25 ; 276.48,35.26 278.48,33.25 ; 278.48,33.25 280.94,33.25 ; 278.48,33.25 280.94,33.25 ; 280.94,33.25 281.95,34.27 ; 280.94,33.25 281.95,34.27 ; 276.48,10.29 276.48,9.76 ; 276.48,10.29 276.06,10.7 ; 276.48,10.29 276.06,10.7 ; 276.48,10.29 276.48,9.76 ; 276.48,9.76 278.48,7.75 ; 276.48,9.76 278.48,7.75 ; 278.48,7.75 280.94,7.75 ; 278.48,7.75 280.94,7.75 ; 280.94,7.75 281.95,8.77 ; 280.94,7.75 281.95,8.77 ; 281.95,8.77 v1(281.95,9.47) ; 281.95,8.77 v1(281.95,9.47) ; v1(281.95,9.47) 281.95,11.06 ; v1(281.95,9.47) 281.95,11.06 ; 274.85,10.26 275.29,10.7 ; 274.85,10.26 274.85,9.43 ; 274.85,10.26 274.85,9.43 ; 274.85,10.26 275.29,10.7 ; 275.29,10.7 276.06,10.7 ; 275.29,10.7 276.06,10.7 ; 274.85,9.43 273.67,8.25 274.85,9.43 ; 282.41,20.09 v1(281.91,19.59) ; 282.41,20.09 282.67,20.35 ; 282.41,20.09 282.67,20.35 ; 282.41,20.09 v1(281.91,19.59) ; v1(281.91,19.59) 281.95,19.56 ; v1(281.91,19.59) 281.95,19.56 ; 282.67,20.35 284.45,20.35 282.67,20.35 ; 281.95,28.06 v1(281.91,28.09) ; 281.95,28.06 v1(281.95,26.47) ; 281.95,28.06 v1(281.91,28.09) ; 281.95,28.06 v1(281.95,26.47) ; v1(281.91,28.09) 282.41,28.59 ; v1(281.91,28.09) 282.41,28.59 ; 282.67,28.85 282.41,28.59 ; 282.67,28.85 284.45,28.85 282.67,28.85 ; 282.67,28.85 282.41,28.59 ; 275.29,27.7 276.06,27.7 ; 275.29,27.7 274.85,27.26 ; 275.29,27.7 276.06,27.7 ; 275.29,27.7 274.85,27.26 ; 276.06,27.7 276.48,27.29 ; 276.06,27.7 276.48,27.29 ; 276.48,27.29 276.48,26.76 ; 276.48,27.29 276.48,26.76 ; 274.85,26.43 274.85,27.26 ; 274.85,26.43 273.67,25.25 274.85,26.43 ; 274.85,26.43 274.85,27.26 ; 276.48,26.76 278.48,24.75 ; 276.48,26.76 278.48,24.75 ; 278.48,24.75 280.94,24.75 ; 278.48,24.75 280.94,24.75 ; 280.94,24.75 281.95,25.77 ; 280.94,24.75 281.95,25.77 ; 281.95,25.77 v1(281.95,26.47) ; 281.95,25.77 v1(281.95,26.47)
  Bottom w0.3: 282.06,139.74 282.06,139.34 282.06,139.74 ; 282.06,139.74 282,139.8 282.06,139.74 ; 281.95,135.9 J15#33.1 281.95,135.9 ; 281.95,135.9 v1(281.95,136.97) 281.95,135.9 ; 281.91,139.56 v1(281.91,138.59) 281.91,139.56 ; 281.91,139.56 J15#34.1 281.91,139.56 ; 282.06,131.24 282.06,130.84 282.06,131.24 ; 282.06,131.24 282,131.3 282.06,131.24 ; 281.95,127.4 J15#36.1 281.95,127.4 ; 281.95,127.4 v1(281.95,128.47) 281.95,127.4 ; 281.91,131.06 v1(281.91,130.09) 281.91,131.06 ; 281.91,131.06 J15#35.1 281.91,131.06 ; 282.06,122.74 282.06,122.34 282.06,122.74 ; 282.06,122.74 282,122.8 282.06,122.74 ; 281.95,118.9 J15#40.1 281.95,118.9 ; 281.95,118.9 v1(281.95,119.97) 281.95,118.9 ; 281.91,122.56 v1(281.91,121.59) 281.91,122.56 ; 281.91,122.56 J15#37.1 281.91,122.56 ; 282.06,114.24 282.06,113.84 282.06,114.24 ; 282.06,114.24 282,114.3 282.06,114.24 ; 281.95,110.4 J15#39.1 281.95,110.4 ; 281.95,110.4 v1(281.95,111.47) 281.95,110.4 ; 281.91,114.06 v1(281.91,113.09) 281.91,114.06 ; 281.91,114.06 J15#38.1 281.91,114.06 ; 282.06,105.74 282.06,105.34 282.06,105.74 ; 282.06,105.74 282,105.8 282.06,105.74 ; 281.95,101.9 J15#61.1 281.95,101.9 ; 281.95,101.9 v1(281.95,102.97) 281.95,101.9 ; 281.91,105.56 v1(281.91,104.59) 281.91,105.56 ; 281.91,105.56 J15#53.1 281.91,105.56 ; 282.06,97.24 282.06,96.84 282.06,97.24 ; 282.06,97.24 282,97.3 282.06,97.24 ; 281.95,93.4 J15#60.1 281.95,93.4 ; 281.95,93.4 v1(281.95,94.47) 281.95,93.4 ; 281.91,97.06 v1(281.91,96.09) 281.91,97.06 ; 281.91,97.06 J15#57.1 281.91,97.06 ; 282.06,80.24 282.06,79.84 282.06,80.24 ; 282.06,80.24 282,80.3 282.06,80.24 ; 281.95,76.4 J15#52.1 281.95,76.4 ; 281.95,76.4 v1(281.95,77.47) 281.95,76.4 ; 281.91,80.06 v1(281.91,79.09) 281.91,80.06 ; 281.91,80.06 J15#50.1 281.91,80.06 ; 281.91,88.56 J15#49.1 281.91,88.56 ; 281.91,88.56 v1(281.91,87.59) 281.91,88.56 ; 282.06,88.74 282.06,88.34 282.06,88.74 ; 282.06,88.74 282,88.8 282.06,88.74 ; 281.95,84.9 J15#51.1 281.95,84.9 ; 281.95,84.9 v1(281.95,85.97) 281.95,84.9 ; 281.91,54.56 v1(281.91,53.59) 281.91,54.56 ; 281.91,54.56 J15#69.1 281.91,54.56 ; 281.95,50.9 v1(281.95,51.97) 281.95,50.9 ; 281.95,50.9 J15#68.1 281.95,50.9 ; 282.06,54.74 282,54.8 282.06,54.74 ; 282.06,54.74 282.06,54.34 282.06,54.74 ; 282.06,71.74 282.06,71.34 282.06,71.74 ; 282.06,71.74 282,71.8 282.06,71.74 ; 281.95,67.9 J15#74.1 281.95,67.9 ; 281.95,67.9 v1(281.95,68.97) 281.95,67.9 ; 281.91,71.56 v1(281.91,70.59) 281.91,71.56 ; 281.91,71.56 J15#66.1 281.91,71.56 ; 282.06,63.24 282.06,62.84 282.06,63.24 ; 282.06,63.24 282,63.3 282.06,63.24 ; 281.95,59.4 J15#72.1 281.95,59.4 ; 281.95,59.4 v1(281.95,60.47) 281.95,59.4 ; 281.91,63.06 v1(281.91,62.09) 281.91,63.06 ; 281.91,63.06 J15#65.1 281.91,63.06 ; 282.06,46.24 282.06,45.84 282.06,46.24 ; 282.06,46.24 282,46.3 282.06,46.24 ; 281.95,42.4 J15#67.1 281.95,42.4 ; 281.95,42.4 v1(281.95,43.47) 281.95,42.4 ; 281.91,46.06 v1(281.91,45.09) 281.91,46.06 ; 281.91,46.06 J15#76.1 281.91,46.06 ; 281.91,20.56 J15#82.1 281.91,20.56 ; 281.91,20.56 v1(281.91,19.59) 281.91,20.56 ; 281.95,8.4 v1(281.95,9.47) 281.95,8.4 ; 281.95,8.4 J15#85.1 281.95,8.4 ; 281.91,12.06 v1(281.91,11.09) 281.91,12.06 ; 281.91,12.06 J15#93.1 281.91,12.06 ; 282.06,37.74 282.06,37.34 282.06,37.74 ; 282.06,37.74 282,37.8 282.06,37.74 ; 281.95,33.9 J15#94.1 281.95,33.9 ; 281.95,33.9 v1(281.95,34.97) 281.95,33.9 ; 281.91,37.56 v1(281.91,36.59) 281.91,37.56 ; 281.91,37.56 J15#81.1 281.91,37.56 ; 281.95,16.9 v1(281.95,17.97) 281.95,16.9 ; 281.95,16.9 J15#89.1 281.95,16.9 ; 282.06,20.74 282,20.8 282.06,20.74 ; 282.06,20.74 282.06,20.34 282.06,20.74 ; 282.06,12.24 282.06,11.84 282.06,12.24 ; 282.06,12.24 282,12.3 282.06,12.24 ; 282.06,29.24 282.06,28.84 282.06,29.24 ; 282.06,29.24 282,29.3 282.06,29.24 ; 281.95,25.4 v1(281.95,26.47) 281.95,25.4 ; 281.95,25.4 J15#87.1 281.95,25.4 ; 281.91,29.06 v1(281.91,28.09) 281.91,29.06 ; 281.91,29.06 J15#86.1 281.91,29.06 ; 282,135.75 281.93,135.82 282,135.75 ; 282,127.25 281.93,127.32 282,127.25 ; 282,118.75 281.93,118.82 282,118.75 ; 282,110.25 281.93,110.32 282,110.25 ; 282,101.75 281.93,101.82 282,101.75 ; 282,93.25 281.93,93.32 282,93.25 ; 282,76.25 281.93,76.32 282,76.25 ; 282,84.75 281.93,84.82 282,84.75 ; 282,50.75 281.93,50.82 282,50.75 ; 282,67.75 281.93,67.82 282,67.75 ; 282,59.25 281.93,59.32 282,59.25 ; 282,42.25 281.93,42.32 282,42.25 ; 282,33.75 281.93,33.82 282,33.75 ; 282,16.75 281.93,16.82 282,16.75 ; 282,8.25 281.93,8.32 282,8.25 ; 282,25.25 281.93,25.32 282,25.25
